# KiCad board corevus-toolboard-panelize3.kicad_pcb (continued)
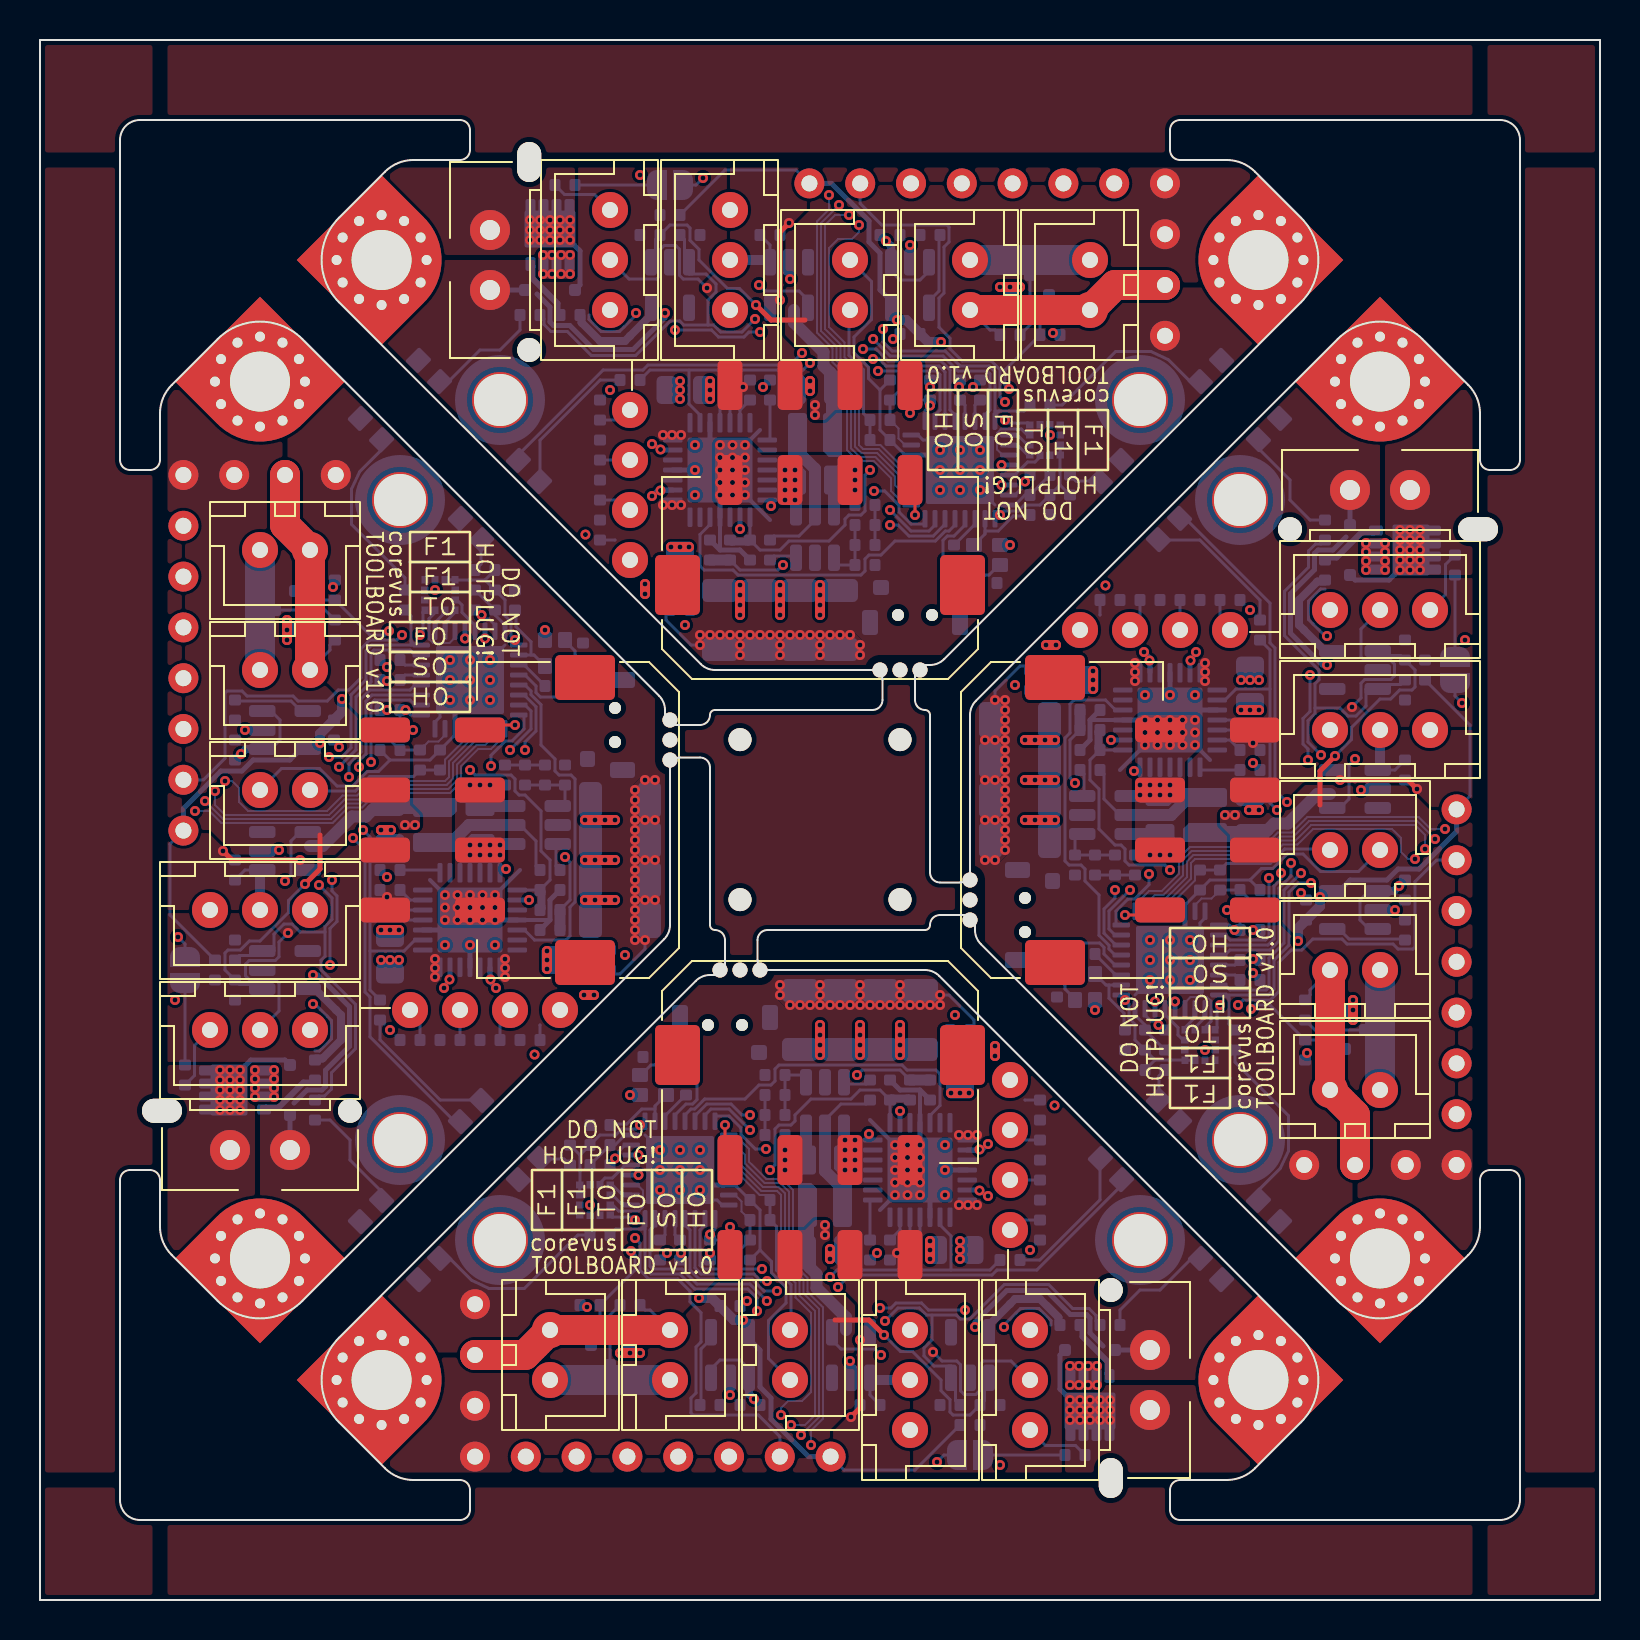
[diagram p0: board, top side]
## Library data of the parts
C1#3 C2#3 C3#4 C4 C5#3 C6#3 C8 C9#3 C11#2 C12 C13#3 C14#2 C15#4 C16#2 C17#2 C18#3 C19#3 C20#3 C21#2 C23#3 C26#2 C28#3 C29#3 C31#2 C32 C33#2 C34#3 = -: ki_fp_filters: C_*
C7 C7#2 C7#3 = -: LCSC: C1525
C7#4 = -: LCSC: C1525; ki_fp_filters: C_*
D1 D1#2 D1#3 = -: Sim.Device: D; Sim.Pins: 1=K 2=A
D1#4 = -: Sim.Device: D; Sim.Pins: 1=K 2=A; ki_fp_filters: TO-???* *_Diode_* *SingleDiode* D_*
D2 D3#3 D4#2 D5 = -: ki_fp_filters: LED* LED_SMD:* LED_THT:*
FB1 = -: ki_fp_filters: Inductor_* L_* *Ferrite*
H1 H1#2 H1#3 H2 H2#2 H2#3 H3#2-H3#4 H4 H4#2 H4#3 = -: Description: Mounting Hole with connection
H1#4 H2#4 H3 H4#4 = -: Description: Mounting Hole with connection; ki_fp_filters: MountingHole*Pad*
J1 J8#2 J10#2 = -: ki_fp_filters: Connector*:*_1x??_*
J2 J2#2 J2#3 J9 J9#2 J9#4 = -: Description: Generic connector, single row, 01x03, script generated (kicad-library-utils/schlib/autogen/connector/)
J2#4 J9#3 = -: Description: Generic connector, single row, 01x03, script generated (kicad-library-utils/schlib/autogen/connector/); ki_fp_filters: Connector*:*_1x??_*
J3#4 = -: ki_fp_filters: Connector*:*_2x??_*
J4 J4#2 J4#4 = -: Description: Generic connector, single row, 01x04, script generated (kicad-library-utils/schlib/autogen/connector/)
J4#3 = -: Description: Generic connector, single row, 01x04, script generated (kicad-library-utils/schlib/autogen/connector/); ki_fp_filters: Connector*:*_1x??_*
J5 J5#2 J5#4 J6 J6#2 J6#4 J7 J7#2 J7#3 = -: Description: Generic connector, single row, 01x02, script generated (kicad-library-utils/schlib/autogen/connector/)
J5#3 J6#3 J7#4 = -: Description: Generic connector, single row, 01x02, script generated (kicad-library-utils/schlib/autogen/connector/); ki_fp_filters: Connector*:*_1x??_*
JP1 JP1#3 JP1#4 = -: Description: Jumper, 2-pole, small symbol, open
JP1#2 = -: Description: Jumper, 2-pole, small symbol, open; ki_fp_filters: Jumper* TestPoint*2Pads* TestPoint*Bridge*
L1#3 = -: ki_fp_filters: Choke_* *Coil* Inductor_* L_*
NT1#3 = -: ki_fp_filters: Net*Tie*
R1#2 R2#4 R3#3 R4 R5#2 R6 R7#3 R8#2 R9#3 R10 R11#3 R12 R13#2 R14#4 R15#2 R16 R17#4 R19 R20#4 R21 = -: ki_fp_filters: R_*
TH1#4 TH2#2 = -: ki_fp_filters: *NTC* *Thermistor* PIN?ARRAY* bornier* *Terminal?Block* R_*
U1 = -: Datasheet: https://www.st.com/resource/en/datasheet/lis2DE12.pdf; ki_fp_filters: LGA*2x2mm*P0.5mm*
U1#2-U1#4 = -: Datasheet: https://www.st.com/resource/en/datasheet/lis2DE12.pdf
U2 U2#2 U2#3 = -: Datasheet: http://www.ti.com/lit/ds/symlink/tps54302.pdf
U2#4 = -: Datasheet: http://www.ti.com/lit/ds/symlink/tps54302.pdf; ki_fp_filters: SOT?23*
U3 U3#2 U3#3 = -: Datasheet: https://www.st.com/resource/en/datasheet/stm32g431kb.pdf
U3#4 = -: Datasheet: https://www.st.com/resource/en/datasheet/stm32g431kb.pdf; ki_fp_filters: QFN*1EP*5x5mm*P0.5mm*
U4#2 = -: ki_fp_filters: QFN*1EP*5x6mm*P0.5mm*
U6 = -: Datasheet: https://www.exar.com/content/document.ashx?id=22106&languageid=1033&type=Datasheet&partnumber=SPX3819&filename=SPX3819.pdf&part=SPX3819; ki_fp_filters: SOT?23*
U6#2-U6#4 = -: Datasheet: https://www.exar.com/content/document.ashx?id=22106&languageid=1033&type=Datasheet&partnumber=SPX3819&filename=SPX3819.pdf&part=SPX3819
U7 U7#3 U7#4 = -: Datasheet: https://www.ti.com/lit/ds/symlink/tps2051c.pdf; Description: 1.5A Current limited power switch, single channel, output discharge, reverse blocking, SOT-23-5
U7#2 = -: Datasheet: https://www.ti.com/lit/ds/symlink/tps2051c.pdf; Description: 1.5A Current limited power switch, single channel, output discharge, reverse blocking, SOT-23-5; ki_fp_filters: SOT?23*
U8 U8#2-U8#4 = -: Datasheet: https://www.ti.com/lit/ds/symlink/ucc27517.pdf; Description: UCC2751x Single-Channel, High-Speed, Low-Side Gate Driver (With 4-A Peak Source and 4-A Peak Sink)
Y1#2 = -: ki_fp_filters: Crystal*

## Footprints (pads in the part's own frame, mm; a bottom-side part is the same pattern mirrored in y, then rotated)
0402
  rrect 0.55x0.6 smd: 1(-0.5,0) 2(0.5,0)
0402C
  rrect 0.55x0.6 smd: 1(-0.5,0) 2(0.5,0)
0402R
  rrect 0.55x0.6 smd: 1(-0.5,0) 2(0.5,0)
0603LED
  rrect 0.9x1 smd: 1(-0.75,0) 2(0.75,0)
C_0805_2012Metric
  rrect 1x1.45 smd: 1(-0.95,0) 2(0.95,0)
C_0805_2012Metric#2
  rrect 0.95x1.45 smd: 1(-0.925,0) 2(0.925,0)
C_1206_3216Metric
  rrect 1.15x1.8 smd: 1(-1.475,0) 2(1.475,0)
Crystal_SMD_2016-4Pin_2.0x1.6mm
  rrect 0.8x0.7 smd: 1(-0.65,-0.5) 2(0.65,-0.5) 3(0.65,0.5) 4(-0.65,0.5)
D_SOD-323
  rrect 0.6x0.6 smd: 1(-1.25,0) 2(1.25,0)
JST_XH_1x02
  oval 1.8x1.8 hole 0.8: 1(-1.25,0) 2(1.25,0)
JST_XH_1x03
  oval 1.8x1.8 hole 0.8: 1(-2.5,0) 2(0,0) 3(2.5,0)
JST_XH_1x04-Side
  round 1.8 hole 0.8: 1(3.75,0) 2(1.25,0) 3(-1.25,0) 4(-3.75,0)
L_Changjiang_FTC2520
  rrect 0.95x2.2 smd: 1(-0.875,0) 2(0.875,0)
LGA-12_2x2mm_P0.5mm
  rect 0.375x0.35 smd: 1(-0.762,0.75) 2(-0.762,0.25) 3(-0.762,-0.25) 4(-0.762,-0.75) 7(0.762,-0.75) 8(0.762,-0.25) 9(0.762,0.25) 10(0.762,0.75)
  rect 0.35x0.375 smd: 5(-0.25,-0.762) 6(0.25,-0.762) 11(0.25,0.762) 12(-0.25,0.762)
Molex_Micro-Fit-3.0_436500215
  round 1.6 hole 1.2 unplated: (-4.5,-1.96)
  oval 2.4x1.6 hole 2x1.2 unplated: (4.9,-1.96)
  round 2 hole 1: 1(1.5,0) 2(-1.5,0)
MOSFET_DFN8
  rrect 0.5x0.7 smd: 1(-0.975,-1.45) 2(-0.325,-1.45) 3(0.325,-1.45) 4(0.975,-1.45) 5(0.975,1.45) 6(0.325,1.45) 7(-0.325,1.45) 8(-0.975,1.45)
  rrect 2.55x1.85 smd: 8(0,0.3)
MountingHole_M3_Driver_Corner
  round 0.8 hole 0.5: 1(-2.173,0.582) 1(-2.173,-0.582) 1(-1.591,1.591) 1(-1.591,-1.591) 1(-0.582,2.173) 1(-0.582,-2.173) 1(0.582,2.173) 1(0.582,-2.173) 1(1.591,1.591) 1(1.591,-1.591) 1(2.173,0.582) 1(2.173,-0.582)
  custom 6x6 hole 3: 1(0,0)
NetTie-2_SMD_Pad0.1mm
  round 0.1 smd: 1(-0.1,0) 2(0.1,0)
PinHeader_1x03_P2.54mm_Vertical
  round 1.5 hole 0.8: 1(0,0) 2(0,-2.54) 3(0,-5.08)
PinHeader_1x08_P2.54mm_Vertical
  round 1.5 hole 0.8: 1(0,0) 2(0,-2.54) 3(0,-5.08) 4(0,-7.62) 5(0,-10.16) 6(0,-12.7) 7(0,-15.24) 8(0,-17.78)
QFN-32-1EP_5x5mm_P0.5mm_EP3.45x3.45mm
  rrect 0.93x0.93 smd: (-1.15,-1.15) (-1.15,0) (-1.15,1.15) (0,-1.15) (0,0) (0,1.15) (1.15,-1.15) (1.15,0) (1.15,1.15)
  rrect 0.875x0.25 smd: 1(-2.438,1.75) 2(-2.438,1.25) 3(-2.438,0.75) 4(-2.438,0.25) 5(-2.438,-0.25) 6(-2.438,-0.75) 7(-2.438,-1.25) 8(-2.438,-1.75) 17(2.438,-1.75) 18(2.438,-1.25) 19(2.438,-0.75) 20(2.438,-0.25) 21(2.438,0.25) 22(2.438,0.75) 23(2.438,1.25) 24(2.438,1.75)
  rrect 0.25x0.875 smd: 9(-1.75,-2.438) 10(-1.25,-2.438) 11(-0.75,-2.438) 12(-0.25,-2.438) 13(0.25,-2.438) 14(0.75,-2.438) 15(1.25,-2.438) 16(1.75,-2.438) 25(1.75,2.438) 26(1.25,2.438) 27(0.75,2.438) 28(0.25,2.438) 29(-0.25,2.438) 30(-0.75,2.438) 31(-1.25,2.438) 32(-1.75,2.438)
  rrect 3.4x3.4 smd: 33(0,0)
R_0805_2012Metric
  rrect 1.025x1.4 smd: 1(-0.912,0) 2(0.912,0)
ShouHan_TS24CA
  round 1 hole 0.6 unplated: (-0.85,0) (0.85,0)
  rrect 0.8x0.75 smd: 1(1.7,-1.375) 2(-1.7,-1.375)
  rrect 0.8x1.25 smd: 3(-2.25,0.375) 3(2.25,0.375)
Sinhoo_TH162010
  round 2.8 hole 2.6: 1(0,0)
  round 4.5 smd: 1(0,0)
SolderJumper-2_P1.3mm_Open_RoundedPad1.0x1.5mm
  custom 1x1.5 smd: 1(-0.65,0) 2(0.65,0)
SOT-23
  rrect 1.475x0.6 smd: 1(-0.938,0.95) 2(-0.938,-0.95) 3(0.938,0)
SOT-23-5
  rrect 1.325x0.6 smd: 1(-1.137,0.95) 2(-1.137,0) 3(-1.137,-0.95) 4(1.137,-0.95) 5(1.137,0.95)
SOT-23-6
  rrect 1.325x0.6 smd: 1(-1.137,0.95) 2(-1.137,0) 3(-1.137,-0.95) 4(1.137,-0.95) 5(1.137,0) 6(1.137,0.95)
ToolingHole
  round 1.3 hole 1.152 unplated: (0,0)
TQFN-28-1EP_5x5mm_P0.5mm_EP3.25x3.25mm_ThermalVias
  rrect 1.41x1.41 smd: (-0.81,-0.81) (-0.81,0.81) (0.81,-0.81) (0.81,0.81)
  rrect 0.975x0.25 smd: 1(-2.362,1.5) 2(-2.362,1) 3(-2.362,0.5) 4(-2.362,0) 5(-2.362,-0.5) 6(-2.362,-1) 7(-2.362,-1.5) 15(2.362,-1.5) 16(2.362,-1) 17(2.362,-0.5) 18(2.362,0) 19(2.362,0.5) 20(2.362,1) 21(2.362,1.5)
  rrect 0.25x0.975 smd: 8(-1.5,-2.362) 9(-1,-2.362) 10(-0.5,-2.362) 11(0,-2.362) 12(0.5,-2.362) 13(1,-2.362) 14(1.5,-2.362) 22(1.5,2.362) 23(1,2.362) 24(0.5,2.362) 25(0,2.362) 26(-0.5,2.362) 27(-1,2.362) 28(-1.5,2.362)
  rrect 3.25x3.25 smd: 29(0,0)
unnamed
  round 1 hole 0.75 unplated: (0,0)
XKB_X3025WRS-2x04E
  rrect 1.25x2.5 smd: 1(-4.5,0) 2(-1.5,0) 3(1.5,0) 4(4.5,0) 5(-4.5,-4.75) 6(-1.5,-4.75) 7(1.5,-4.75) 8(4.5,-4.75)
  rrect 2.25x3 smd: MP(-7.125,5.25) MP(7.125,5.25)

## Nets
+3.3V: C5.1 C5#2.1 C5#3.1 C5#4.1 C11.1 C11#2.1 C11#3.1 C11#4.1 C12.1 C12#2.1 C12#3.1 C12#4.1 C34.2 C34#2.2 C34#3.2 C34#4.2 D3.2 D3#2.2 D3#3.2 D3#4.2 FB1.2 FB1#2.2 FB1#3.2 FB1#4.2 J8.8 J8#2.8 J8#3.8 J8#4.8 R7.2 R7#2.2 R7#3.2 R7#4.2 R16.2 R16#2.2 R16#3.2 R16#4.2 R17.2 R17#2.2 R17#3.2 R17#4.2 U1.9 U1.10 U1#2.9 U1#2.10 U1#3.9 U1#3.10 U1#4.9 U1#4.10 U3.1 U3.17 U3#2.1 U3#2.17 U3#3.1 U3#3.17 U3#4.1 U3#4.17 U4.15 U4#2.15 U4#3.15 U4#4.15 U6.5 U6#2.5 U6#3.5 U6#4.5
+5V: C1.2 C1#2.2 C1#3.2 C1#4.2 C33.1 C33#2.1 C33#3.1 C33#4.1 J9.2 J9#2.2 J9#3.2 J9#4.2 L1.2 L1#2.2 L1#3.2 L1#4.2 R15.1 R15#2.1 R15#3.1 R15#4.1 U6.1 U6.3 U6#2.1 U6#2.3 U6#3.1 U6#3.3 U6#4.1 U6#4.3 U7.5 U7#2.5 U7#3.5 U7#4.5
+12V: C29.1 C29#2.1 C29#3.1 C29#4.1 C32.1 C32#2.1 C32#3.1 C32#4.1 J3.6 J3#2.6 J3#3.6 J3#4.6 J8.1 J8#2.1 J8#3.1 J8#4.1 J10.3 J10#2.3 J10#3.3 J10#4.3 U2.3 U2#2.3 U2#3.3 U2#4.3 U8.1 U8#2.1 U8#3.1 U8#4.1
+24V: C8.2 C8#2.2 C8#3.2 C8#4.2 C14.1 C14#2.1 C14#3.1 C14#4.1 C15.1 C15#2.1 C15#3.1 C15#4.1 C16.1 C16#2.1 C16#3.1 C16#4.1 C17.1 C17#2.1 C17#3.1 C17#4.1 D1.1 D1#2.1 D1#3.1 D1#4.1 J1.2 J1#2.2 J1#3.2 J1#4.2 J3.7 J3.8 J3#2.7 J3#2.8 J3#3.7 J3#3.8 J3#4.7 J3#4.8 J10.1 J10#2.1 J10#3.1 J10#4.1 R20.1 R20#2.1 R20#3.1 R20#4.1 U4.22 U4.28 U4#2.22 U4#2.28 U4#3.22 U4#3.28 U4#4.22 U4#4.28
GND: C1.1 C1#2.1 C1#3.1 C1#4.1 C2.2 C2#2.2 C2#3.2 C2#4.2 C3.2 C3#2.2 C3#3.2 C3#4.2 C4.2 C4#2.2 C4#3.2 C4#4.2 C5.2 C5#2.2 C5#3.2 C5#4.2 C6.2 C6#2.2 C6#3.2 C6#4.2 C11.2 C11#2.2 C11#3.2 C11#4.2 C12.2 C12#2.2 C12#3.2 C12#4.2 C14.2 C14#2.2 C14#3.2 C14#4.2 C15.2 C15#2.2 C15#3.2 C15#4.2 C16.2 C16#2.2 C16#3.2 C16#4.2 C17.2 C17#2.2 C17#3.2 C17#4.2 C18.2 C18#2.2 C18#3.2 C18#4.2 C19.2 C19#2.2 C19#3.2 C19#4.2 C20.2 C20#2.2 C20#3.2 C20#4.2 C21.2 C21#2.2 C21#3.2 C21#4.2 C29.2 C29#2.2 C29#3.2 C29#4.2 C31.1 C31#2.1 C31#3.1 C31#4.1 C32.2 C32#2.2 C32#3.2 C32#4.2 C33.2 C33#2.2 C33#3.2 C33#4.2 C34.1 C34#2.1 C34#3.1 C34#4.1 D2.1 D2#2.1 D2#3.1 D2#4.1 D4.1 D4#2.1 D4#3.1 D4#4.1 D5.1 D5#2.1 D5#3.1 D5#4.1 H1.1 H1#2.1 H1#3.1 H1#4.1 H2.1 H2#2.1 H2#3.1 H2#4.1 H3.1 H3#2.1 H3#3.1 H3#4.1 H4.1 H4#2.1 H4#3.1 H4#4.1 J2.1 J2#2.1 J2#3.1 J2#4.1 J3.2 J3.3 J3.4 J3#2.2 J3#2.3 J3#2.4 J3#3.2 J3#3.3 J3#3.4 J3#4.2 J3#4.3 J3#4.4 J8.2 J8#2.2 J8#3.2 J8#4.2 J9.1 J9#2.1 J9#3.1 J9#4.1 NT1.1 NT1#2.1 NT1#3.1 NT1#4.1 Q2.1 Q2.2 Q2.3 Q2#2.1 Q2#2.2 Q2#2.3 Q2#3.1 Q2#3.2 Q2#3.3 Q2#4.1 Q2#4.2 Q2#4.3 Q4.2 Q4#2.2 Q4#3.2 Q4#4.2 R2.1 R2#2.1 R2#3.1 R2#4.1 R5.1 R5#2.1 R5#3.1 R5#4.1 R6.1 R6#2.1 R6#3.1 R6#4.1 R10.2 R10#2.2 R10#3.2 R10#4.2 R14.2 R14#2.2 R14#3.2 R14#4.2 R19.1 R19#2.1 R19#3.1 R19#4.1 R20.2 R20#2.2 R20#3.2 R20#4.2 SW1.2 SW1#2.2 SW1#3.2 SW1#4.2 TH1.2 TH1#2.2 TH1#3.2 TH1#4.2 TH2.2 TH2#2.2 TH2#3.2 TH2#4.2 U1.5 U1.6 U1.7 U1.8 U1#2.5 U1#2.6 U1#2.7 U1#2.8 U1#3.5 U1#3.6 U1#3.7 U1#3.8 U1#4.5 U1#4.6 U1#4.7 U1#4.8 U2.1 U2#2.1 U2#3.1 U2#4.1 U3.16 U3.32 U3.33 U3#2.16 U3#2.32 U3#2.33 U3#3.16 U3#3.32 U3#3.33 U3#4.16 U3#4.32 U3#4.33 U4.3 U4.18 U4.25 U4.29 U4#2.3 U4#2.18 U4#2.25 U4#2.29 U4#3.3 U4#3.18 U4#3.25 U4#3.29 U4#4.3 U4#4.18 U4#4.25 U4#4.29 U6.2 U6#2.2 U6#3.2 U6#4.2 U7.2 U7#2.2 U7#3.2 U7#4.2 U8.2 U8.4 U8#2.2 U8#2.4 U8#3.2 U8#3.4 U8#4.2 U8#4.4 Y1.2 Y1.4 Y1#2.2 Y1#2.4 Y1#3.2 Y1#3.4 Y1#4.2 Y1#4.4
VDDA: C13.2 C13#2.2 C13#3.2 C13#4.2 FB1.1 FB1#2.1 FB1#3.1 FB1#4.1 R13.2 R13#2.2 R13#3.2 R13#4.2 U3.15 U3#2.15 U3#3.15 U3#4.15
VSSA: C13.1 C13#2.1 C13#3.1 C13#4.1 C26.2 C26#2.2 C26#3.2 C26#4.2 J5.1 J5#2.1 J5#3.1 J5#4.1 NT1.2 NT1#2.2 NT1#3.2 NT1#4.2 U3.14 U3#2.14 U3#3.14 U3#4.14
/_{FET}Therm: JP1.1 JP1#2.1 JP1#3.1 JP1#4.1 R7.1 R7#2.1 R7#3.1 R7#4.1 TH2.1 TH2#2.1 TH2#3.1 TH2#4.1
/_{Motor}Therm: R16.1 R16#2.1 R16#3.1 R16#4.1 TH1.1 TH1#2.1 TH1#3.1 TH1#4.1 U3.6 U3#2.6 U3#3.6 U3#4.6
/A1: C19.1 C19#2.1 C19#3.1 C19#4.1 J4.3 J4#2.3 J4#3.3 J4#4.3 U4.24 U4#2.24 U4#3.24 U4#4.24
/A2: C18.1 C18#2.1 C18#3.1 C18#4.1 J4.4 J4#2.4 J4#3.4 J4#4.4 U4.21 U4#2.21 U4#3.21 U4#4.21
/ACCEL_CS: U1.2 U1#2.2 U1#3.2 U1#4.2 U3.25 U3#2.25 U3#3.25 U3#4.25
/ACCEL_INT1: U1.12 U1#2.12 U1#3.12 U1#4.12 U3.29 U3#2.29 U3#3.29 U3#4.29
/B1: C21.1 C21#2.1 C21#3.1 C21#4.1 J4.1 J4#2.1 J4#3.1 J4#4.1 U4.1 U4#2.1 U4#3.1 U4#4.1
/B2: C20.1 C20#2.1 C20#3.1 C20#4.1 J4.2 J4#2.2 J4#3.2 J4#4.2 U4.26 U4#2.26 U4#3.26 U4#4.26
/BOOT0: J8.7 J8#2.7 J8#3.7 J8#4.7 R2.2 R2#2.2 R2#3.2 R2#4.2 U3.31 U3#2.31 U3#3.31 U3#4.31
/D+: J3.5 J3#2.5 J3#3.5 J3#4.5 R3.2 R3#2.2 R3#3.2 R3#4.2
/D+': R3.1 R3#2.1 R3#3.1 R3#4.1 U3.22 U3#2.22 U3#3.22 U3#4.22
/D-: J3.1 J3#2.1 J3#3.1 J3#4.1 R4.2 R4#2.2 R4#3.2 R4#4.2
/D-': R4.1 R4#2.1 R4#3.1 R4#4.1 U3.21 U3#2.21 U3#3.21 U3#4.21
/Dir: U3.5 U3#2.5 U3#3.5 U3#4.5 U4.19 U4#2.19 U4#3.19 U4#4.19
/F0: R8.2 R8#2.2 R8#3.2 R8#4.2 U3.24 U3#2.24 U3#3.24 U3#4.24 U7.4 U7#2.4 U7#3.4 U7#4.4
/F0_FG: J2.3 J2#2.3 J2#3.3 J2#4.3 U3.19 U3#2.19 U3#3.19 U3#4.19
/F1: Q4.1 Q4#2.1 Q4#3.1 Q4#4.1 R14.1 R14#2.1 R14#3.1 R14#4.1 U3.30 U3#2.30 U3#3.30 U3#4.30
/H0: R1.2 R1#2.2 R1#3.2 R1#4.2 R19.2 R19#2.2 R19#3.2 R19#4.2 U3.23 U3#2.23 U3#3.23 U3#4.23 U8.3 U8#2.3 U8#3.3 U8#4.3
/H0_Gate: R9.2 R9#2.2 R9#3.2 R9#4.2 U8.5 U8#2.5 U8#3.5 U8#4.5
/PA4: J8.6 J8#2.6 J8#3.6 J8#4.6 JP1.2 JP1#2.2 JP1#3.2 JP1#4.2 U3.9 U3#2.9 U3#3.9 U3#4.9
/PA5: J8.5 J8#2.5 J8#3.5 J8#4.5 U3.10 U3#2.10 U3#3.10 U3#4.10
/PA6: J8.4 J8#2.4 J8#3.4 J8#4.4 U3.11 U3#2.11 U3#3.11 U3#4.11
/PA7: J8.3 J8#2.3 J8#3.3 J8#4.3 U3.12 U3#2.12 U3#3.12 U3#4.12
/PCF_V+: C23.1 C23#2.1 C23#3.1 C23#4.1 J6.2 J6#2.2 J6#3.2 J6#4.2 J7.2 J7#2.2 J7#3.2 J7#4.2 J10.2 J10#2.2 J10#3.2 J10#4.2
/S0: J9.3 J9#2.3 J9#3.3 J9#4.3 U3.20 U3#2.20 U3#3.20 U3#4.20
/SPI1_MISO: U1.3 U1#2.3 U1#3.3 U1#4.3 U3.27 U3#2.27 U3#3.27 U3#4.27
/SPI1_MOSI: U1.4 U1#2.4 U1#3.4 U1#4.4 U3.28 U3#2.28 U3#3.28 U3#4.28
/SPI1_SCK: U1.1 U1#2.1 U1#3.1 U1#4.1 U3.26 U3#2.26 U3#3.26 U3#4.26
/Step: U3.7 U3#2.7 U3#3.7 U3#4.7 U4.16 U4#2.16 U4#3.16 U4#4.16
/T0: C26.1 C26#2.1 C26#3.1 C26#4.1 J5.2 J5#2.2 J5#3.2 J5#4.2 R13.1 R13#2.1 R13#3.1 R13#4.1 U3.13 U3#2.13 U3#3.13 U3#4.13
/UART: U3.8 U3#2.8 U3#3.8 U3#4.8 U4.14 U4#2.14 U4#3.14 U4#4.14
/~{En}: R21.2 R21#2.2 R21#3.2 R21#4.2 U3.18 U3#2.18 U3#3.18 U3#4.18 U4.2 U4#2.2 U4#3.2 U4#4.2
/~{Reset}: SW1.1 SW1#2.1 SW1#3.1 SW1#4.1 U3.4 U3#2.4 U3#3.4 U3#4.4
Net-(C3-Pad1): C3.1 C3#2.1 C3#3.1 C3#4.1 R12.1 R12#2.1 R12#3.1 R12#4.1 Y1.1 Y1#2.1 Y1#3.1 Y1#4.1
Net-(C28-Pad1): C28.1 C28#2.1 C28#3.1 C28#4.1 R11.1 R11#2.1 R11#3.1 R11#4.1 R15.2 R15#2.2 R15#3.2 R15#4.2
Net-(D1-A): D1.2 D1#2.2 D1#3.2 D1#4.2 J1.1 J1#2.1 J1#3.1 J1#4.1 Q2.5 Q2.6 Q2.7 Q2.8 Q2#2.5 Q2#2.6 Q2#2.7 Q2#2.8 Q2#3.5 Q2#3.6 Q2#3.7 Q2#3.8 Q2#4.5 Q2#4.6 Q2#4.7 Q2#4.8
Net-(D2-A): D2.2 D2#2.2 D2#3.2 D2#4.2 R1.1 R1#2.1 R1#3.1 R1#4.1
Net-(D3-K): D3.1 D3#2.1 D3#3.1 D3#4.1 R21.1 R21#2.1 R21#3.1 R21#4.1
Net-(D4-A): D4.2 D4#2.2 D4#3.2 D4#4.2 R17.1 R17#2.1 R17#3.1 R17#4.1
Net-(D5-A): D5.2 D5#2.2 D5#3.2 D5#4.2 R8.1 R8#2.1 R8#3.1 R8#4.1
Net-(J2-Pin_2): C6.1 C6#2.1 C6#3.1 C6#4.1 J2.2 J2#2.2 J2#3.2 J2#4.2 U7.1 U7#2.1 U7#3.1 U7#4.1
Net-(J6-Pin_1): C23.2 C23#2.2 C23#3.2 C23#4.2 J6.1 J6#2.1 J6#3.1 J6#4.1 J7.1 J7#2.1 J7#3.1 J7#4.1 Q4.3 Q4#2.3 Q4#3.3 Q4#4.3
Net-(Q2-G): Q2.4 Q2#2.4 Q2#3.4 Q2#4.4 R9.1 R9#2.1 R9#3.1 R9#4.1
Net-(U2-BOOT): C7.1 C7#2.1 C7#3.1 C7#4.1 U2.6 U2#2.6 U2#3.6 U2#4.6
Net-(U2-FB): C28.2 C28#2.2 C28#3.2 C28#4.2 R10.1 R10#2.1 R10#3.1 R10#4.1 R11.2 R11#2.2 R11#3.2 R11#4.2 U2.4 U2#2.4 U2#3.4 U2#4.4
Net-(U2-SW): C7.2 C7#2.2 C7#3.2 C7#4.2 L1.1 L1#2.1 L1#3.1 L1#4.1 U2.2 U2#2.2 U2#3.2 U2#4.2
Net-(U3-PF0): C2.1 C2#2.1 C2#3.1 C2#4.1 U3.2 U3#2.2 U3#3.2 U3#4.2 Y1.3 Y1#2.3 Y1#3.3 Y1#4.3
Net-(U3-PF1): R12.2 R12#2.2 R12#3.2 R12#4.2 U3.3 U3#2.3 U3#3.3 U3#4.3
Net-(U4-5VOUT): C4.1 C4#2.1 C4#3.1 C4#4.1 U4.8 U4#2.8 U4#3.8 U4#4.8
Net-(U4-BRA): R5.2 R5#2.2 R5#3.2 R5#4.2 U4.23 U4#2.23 U4#3.23 U4#4.23
Net-(U4-BRB): R6.2 R6#2.2 R6#3.2 R6#4.2 U4.27 U4#2.27 U4#3.27 U4#4.27
Net-(U4-CPI): C9.2 C9#2.2 C9#3.2 C9#4.2 U4.5 U4#2.5 U4#3.5 U4#4.5
Net-(U4-CPO): C9.1 C9#2.1 C9#3.1 C9#4.1 U4.4 U4#2.4 U4#3.4 U4#4.4
Net-(U4-VCP): C8.1 C8#2.1 C8#3.1 C8#4.1 U4.6 U4#2.6 U4#3.6 U4#4.6
Net-(U6-BP): C31.2 C31#2.2 C31#3.2 C31#4.2 U6.4 U6#2.4 U6#3.4 U6#4.4

Pads without a net: J3 MP; J3#2 MP; J3#3 MP; J3#4 MP; SW1 3; SW1#2 3; SW1#3 3; SW1#4 3; U1 11; U1#2 11; U1#3 11; U1#4 11; U2 5; U2#2 5; U2#3 5; U2#4 5; U4 7 9 10 11 12 13 17 20; U4#2 7 9 10 11 12 13 17 20; U4#3 7 9 10 11 12 13 17 20; U4#4 7 9 10 11 12 13 17 20; U7 3; U7#2 3; U7#3 3; U7#4 3

## Via types
v1: diameter 0.5, hole 0.25, Top to Bottom, 732 vias

## Routing (per net, layer and track width the routed paths; a pad name or vN(x,y) marks a point on that pad's centre or on a via; arc(x,y) is an arc through that point)
+3.3V: length 334.8
  In1.Cu w0.15: v1(38.1,62.35) 38.05,62.3 38.05,61.66 38.31,61.4 38.69,61.4 39.54,62.25 40.11,62.25 41.36,61 42.09,61 42.35,61.26 42.35,62.1 43.1,62.85 43.1,63.75 v1(42.85,64) ; v1(14,42.85) 14.25,43.1 15.15,43.1 15.9,42.35 16.74,42.35 17,42.09 17,41.36 15.75,40.11 15.75,39.54 16.6,38.69 16.6,38.31 16.34,38.05 15.7,38.05 v1(15.65,38.1) ; v1(64,35.15) 63.75,34.9 62.85,34.9 62.1,35.65 61.26,35.65 61,35.91 61,36.64 62.25,37.89 62.25,38.46 61.4,39.31 61.4,39.69 61.66,39.95 62.3,39.95 v1(62.35,39.9) ; v1(35.15,14) 34.9,14.25 34.9,15.15 35.65,15.9 35.65,16.74 35.91,17 36.64,17 37.89,15.75 38.46,15.75 39.31,16.6 39.69,16.6 39.95,16.34 39.95,15.7 v1(39.9,15.65)
  In1.Cu w0.25: v1(54.25,30) 54.25,30.5 55.25,31.5 59.79,31.5 60.44,30.85 60.86,30.85 61.4,31.39 61.4,32.95 ; v1(23.75,48) 23.75,47.5 22.75,46.5 18.21,46.5 17.56,47.15 17.14,47.15 16.6,46.61 16.6,45.05 ; 32.95,16.6 31.39,16.6 30.85,17.14 30.85,17.56 31.5,18.21 31.5,22.75 30.5,23.75 v1(30,23.75) ; v1(45.05,62.9) 45.05,60.27 v1(44.5,59.73) 44.42,59.65 43.91,59.65 43.71,59.85 43.1,59.85 41.5,58.25 v1(41.5,56.5) ; v1(48,54.25) 47.5,54.25 46.5,55.25 46.5,59.79 47.15,60.44 47.15,60.86 46.61,61.4 45.05,61.4 ; v1(62.9,32.95) 60.27,32.95 v1(59.73,33.5) 59.65,33.58 59.65,34.09 59.85,34.29 59.85,34.9 58.25,36.5 v1(56.5,36.5) ; v1(15.1,45.05) 17.73,45.05 v1(18.27,44.5) 18.35,44.42 18.35,43.91 18.15,43.71 18.15,43.1 19.75,41.5 v1(21.5,41.5) ; v1(36.5,21.5) 36.5,19.75 34.9,18.15 34.29,18.15 34.09,18.35 33.58,18.35 v1(33.5,18.27) 32.95,17.73 v1(32.95,15.1)
  Bottom w0.15: R7#3.2 43.75,6.5 40.2,6.5 J8#2.8 ; v1(18.27,44.5) 18.52,44.25 18.9,44.25 ; 27,22.25 28,23.25 28.79,23.25 29.09,23.55 29.8,23.55 v1(30,23.75) 30.25,23.75 ; 27,22.25 R17#4.2 ; 27,22.25 27,20.76 U1.10 U1.9 ; U4#4.15 C5#4.1 25.5,36 25.5,37 25.05,37.45 25.05,39.45 24.25,40.25 23.95,40.25 23.75,40.45 23.75,41.05 23.55,41.25 21.75,41.25 v1(21.5,41.5) ; U1#4.9 U1#4.10 57.24,27 55.75,27 ; 22.25,51 23.25,50 23.25,49.21 23.55,48.91 23.55,48.2 v1(23.75,48) 23.75,47.75 ; 22.25,51 20.76,51 U1#2.10 U1#2.9 ; 22.25,51 R17#2.2 ; J8#3.8 6.5,37.8 6.5,34.25 R7#4.2 ; 54.25,30.25 v1(54.25,30) 54.45,29.8 54.45,29.09 54.75,28.79 54.75,28 55.75,27 ; 51,55.75 51,57.24 U1#3.10 U1#3.9 ; 51,55.75 R17.2 ; 51,55.75 50,54.75 49.21,54.75 48.91,54.45 48.2,54.45 v1(48,54.25) 47.75,54.25 ; 20.97,23.97 20.69,23.97 16.5,28.16 16.5,30.15 16.25,30.4 16.25,37.5 v1(15.65,38.1) ; v1(36.5,21.5) 36.75,21.75 36.75,23.55 36.95,23.75 37.55,23.75 37.75,23.95 37.75,24.25 38.55,25.05 40.55,25.05 41,25.5 42,25.5 C5#3.1 U4#2.15 ; R7#2.2 34.25,71.5 37.8,71.5 J8.8 ; v1(59.73,33.5) 59.48,33.75 59.1,33.75 ; 33.75,18.9 33.75,18.52 v1(33.5,18.27) ; 54.03,20.97 54.03,20.69 49.84,16.5 47.85,16.5 47.6,16.25 40.5,16.25 v1(39.9,15.65) ; 55.75,27 R17#3.2 ; 23.97,57.03 23.97,57.31 28.16,61.5 30.15,61.5 30.4,61.75 37.5,61.75 v1(38.1,62.35) ; v1(62.35,39.9) 61.75,40.5 61.75,47.6 61.5,47.85 61.5,49.84 57.31,54.03 57.03,54.03 ; R7.2 71.5,43.75 71.5,40.2 J8#4.8 ; U4#3.15 C5.1 52.5,42 52.5,41 52.95,40.55 52.95,38.55 53.75,37.75 54.05,37.75 54.25,37.55 54.25,36.95 54.45,36.75 56.25,36.75 v1(56.5,36.5) ; v1(44.5,59.73) 44.25,59.48 44.25,59.1 ; FB1#3.2 C12#3.1 ; FB1#2.2 C12#2.1 ; U4.15 C5#2.1 36,52.5 37,52.5 37.45,52.95 39.45,52.95 40.25,53.75 40.25,54.05 40.45,54.25 41.05,54.25 41.25,54.45 41.25,56.25 v1(41.5,56.5) ; FB1#4.2 C12#4.1 ; FB1.2 C12.1
  Bottom w0.25: J8#2.8 38.42,7.17 36.55,9.04 36.55,10.1 36,10.65 36,12.49 35.45,13.04 U6.5 ; J8#3.8 7.17,39.58 9.04,41.45 10.1,41.45 10.65,42 12.49,42 13.04,42.55 U6#2.5 ; J8#4.8 70.83,38.42 68.96,36.55 67.9,36.55 67.35,36 65.51,36 64.96,35.45 U6#3.5 ; J8.8 39.58,70.83 41.45,68.96 41.45,67.9 42,67.35 42,65.51 42.55,64.96 U6#4.5
  Bottom w0.4: R16#3.2 34.57,52.92 35.43,52.92 C5#2.1 ; C5.1 52.92,42.57 52.92,43.43 R16#2.2 ; C5#3.1 42.57,25.08 43.43,25.07 R16.2 ; C5#4.1 25.08,35.43 25.07,34.57 R16#4.2
  Bottom w0.5: 13.7,42.55 v1(14,42.85) 14,43.31 15.1,44.41 v1(15.1,45.05) ; 35.45,13.7 v1(35.15,14) 34.69,14 33.59,15.1 v1(32.95,15.1) ; 42.55,64.3 v1(42.85,64) 43.31,64 44.41,62.9 v1(45.05,62.9) ; v1(62.9,32.95) 62.9,33.59 64,34.69 v1(64,35.15) 64.3,35.45
+5V: length 135.1
  Top w0.25: v1(40.55,9.15) 41,9.6 v1(41,13) ; v1(37.45,68.85) 37,68.4 v1(37,65) ; v1(65,41) 68.4,41 v1(68.85,40.55) ; v1(13,37) 9.6,37 v1(9.15,37.45)
  In1.Cu w0.15: v1(67.95,35.7) 67.95,39.65 v1(68.85,40.55) ; v1(10.05,42.3) 10.05,38.35 v1(9.15,37.45) ; v1(37.45,68.85) 38.35,67.95 v1(42.3,67.95) ; v1(35.7,10.05) 39.65,10.05 v1(40.55,9.15)
  Bottom w0.15: 57.25,38 56.92,37.67 55.17,37.67 R15#3.1 ; R15.1 40.33,55.17 40.33,56.92 40,57.25 ; U6#4.1 42.55,66.45 43,66 44,66 44.45,66.45 U6#4.3 ; U6#3.3 66.45,33.55 66,34 66,35 66.45,35.45 U6#3.1 ; J9#3.2 48.55,11.95 47.16,11.95 46.97,11.76 46.97,10.46 46.79,10.27 46.21,10.27 46.02,10.46 46.02,11.76 45.84,11.95 45.1,11.95 v1(44.65,12.4) ; 38,20.75 37.67,21.07 37.67,22.82 R15#2.1 ; v1(65.6,44.65) 66.05,45.1 66.05,45.84 66.24,46.02 67.54,46.02 67.72,46.21 67.72,46.79 67.54,46.97 66.24,46.97 66.05,47.16 66.05,48.55 J9#4.2 ; 41.5,13.05 U7#2.5 ; 36.5,64.95 U7#4.5 ; 64.95,41.5 U7#3.5 ; U6.1 35.45,11.55 35,12 34,12 33.55,11.55 U6.3 ; 20.75,40 21.07,40.33 22.82,40.33 R15#4.1 ; U6#2.3 11.55,44.45 12,44 12,43 11.55,42.55 U6#2.1 ; J9#2.2 29.45,66.05 30.84,66.05 31.03,66.24 31.03,67.54 31.21,67.72 31.79,67.72 31.98,67.54 31.98,66.24 32.16,66.05 32.9,66.05 v1(33.35,65.6) ; J9.2 11.95,29.45 11.95,30.84 11.76,31.03 10.46,31.03 10.27,31.21 10.27,31.79 10.46,31.98 11.76,31.98 11.95,32.16 11.95,32.9 v1(12.4,33.35) ; 13.05,36.5 U7.5
  Bottom w0.25: 36.5,65.15 36.5,64.95 ; 12.85,36.5 13.05,36.5 ; 41.5,12.85 41.5,13.05 ; 65.15,41.5 64.95,41.5
  Bottom w0.4: U6#4.1 42.55,67.7 C1.2 v1(42.3,67.95) ; U6#3.1 67.7,35.45 C1#4.2 v1(67.95,35.7) ; U6.1 35.45,10.3 C1#3.2 v1(35.7,10.05) ; U6#2.1 10.3,42.55 C1#2.2 v1(10.05,42.3)
  Bottom w0.6: 39.5,61.38 39.89,60.99 ; 39.5,61.38 39.5,60.7 C33#4.1 ; 39.5,61.38 39.17,61.71 39.17,62.39 37.7,63.87 37.7,64.5 ; 16.62,39.5 16.29,39.17 15.61,39.17 14.13,37.7 13.5,37.7 ; 16.62,39.5 17.3,39.5 C33.1 ; 16.62,39.5 17.01,39.89 ; C33#2.1 38.5,17.3 38.5,16.62 ; 61.38,38.5 61.71,38.83 62.39,38.83 63.87,40.3 64.5,40.3 ; 61.38,38.5 60.7,38.5 C33#3.1 ; 61.38,38.5 60.99,38.11 ; 40.3,13.5 40.3,14.13 38.83,15.61 38.83,16.29 38.5,16.62 ; 38.5,16.62 38.11,17.01
  Bottom w0.8: C33#2.1 38.3,19.68 L1#3.2 ; C33.1 19.68,39.7 L1.2 ; L1#4.2 39.7,58.32 C33#4.1 ; L1#2.2 58.32,38.3 C33#3.1
+12V: length 55.4
  Top w0.25: v1(64.75,42.2) 64,41.45 64,39.75 ; 14,38.25 14,36.55 v1(13.25,35.8) ; v1(35.8,64.75) 36.55,64 38.25,64 ; 39.75,14 41.45,14 v1(42.2,13.25)
  Bottom w0.15: U8.1 67.11,47.22 68.03,47.22 68.75,46.5 68.75,45.65 68.6,45.5 67.98,45.5 67.53,45.05 67,45.05 65.58,43.63 65.58,43.03 v1(64.75,42.2) ; v1(42.2,13.25) 43.03,12.42 43.63,12.42 45.05,11 45.05,10.47 45.5,10.02 45.5,9.4 45.65,9.25 46.5,9.25 47.22,9.97 47.22,10.89 U8#4.1 ; v1(13.25,35.8) 12.42,34.97 12.42,34.37 11,32.95 10.47,32.95 10.02,32.5 9.4,32.5 9.25,32.35 9.25,31.5 9.97,30.78 10.89,30.78 U8#2.1 ; v1(35.8,64.75) 34.97,65.58 34.37,65.58 32.95,67 32.95,67.53 32.5,67.98 32.5,68.6 32.35,68.75 31.5,68.75 30.78,68.03 30.78,67.11 U8#3.1
  Bottom w0.25: U8#3.1 30.55,66.55 ; U8#2.1 11.45,30.55 ; U8#4.1 47.45,11.45 ; U8.1 66.55,47.45
  Bottom w0.3: 21.75,39.7 22,39.7 ; 39.7,56.25 39.7,56 ; 38.3,21.75 38.3,22 ; 56.25,38.3 56,38.3
  Bottom w0.6: U2#2.3 56,38.3 ; U2#3.3 22,39.7 ; U2#4.3 38.3,22 ; U2.3 39.7,56
  vias: v1(18.25,38.75) v1(18.75,38.75) v1(38.75,59.75) v1(38.75,59.25) v1(39.25,18.75) v1(39.25,18.25) v1(59.25,39.25) v1(59.75,39.25)
+24V: length 20.2
  Bottom w0.15: v1(45,30.25) 45.45,30.25 46.7,29 46.7,28.7 R20#4.1 ; C8#3.2 v1(60.65,42.85) ; R20#3.1 31.3,49.3 31.3,49 32.55,47.75 v1(33,47.75) ; C8#4.2 v1(17.35,35.15) ; C8.2 v1(42.85,17.35) ; R20#2.1 49.3,46.7 49,46.7 47.75,45.45 v1(47.75,45) ; v1(30.25,33) 30.25,32.55 29,31.3 28.7,31.3 R20.1 ; C8#2.2 v1(35.15,60.65)
  Bottom w0.25: D1#3.1 J1#2.2 ; D1#4.1 J1.2 ; D1.1 J1#3.2 ; D1#2.1 J1#4.2
  vias: v1(19.75,32.05) v1(19.75,31.6) v1(19.75,31.15) v1(23.25,32.05) v1(23.25,31.6) v1(23.25,31.15) v1(29.75,40.5) v1(29.75,40) v1(29.75,39.5) v1(29.75,39) v1(29.75,38.5) v1(29.75,38) v1(29.75,37.5) v1(29.75,37) v1(29.75,36.5) v1(29.75,36) v1(29.75,35.5) v1(29.75,35) v1(29.75,34.5) v1(29.75,34) v1(29.75,33.5) v1(29.75,33) v1(30.25,41) v1(30.25,39) v1(30.25,37) v1(30.25,35) v1(30.75,37) v1(30.75,41) v1(30.75,39) v1(30.75,35) v1(31.15,58.25) v1(31.15,54.75) v1(31.6,58.25) v1(31.6,54.75) v1(32.05,58.25) v1(32.05,54.75) v1(33,48.25) v1(33.5,48.25) v1(34,48.25) v1(34.5,48.25) v1(35,48.25) v1(35,47.75) v1(35,47.25) v1(35.5,48.25) v1(36,48.25) v1(36.5,48.25) v1(37,48.25) v1(37,47.75) v1(37,47.25) v1(37,30.75) v1(37,30.25) v1(37.5,48.25) v1(37.5,29.75) v1(38,48.25) v1(38,29.75) v1(38.5,48.25) v1(38.5,29.75) v1(39,48.25) v1(39,47.75) v1(39,47.25) v1(39,30.75) v1(39,30.25) v1(39,29.75) v1(39.5,48.25) v1(39.5,29.75) v1(40,48.25) v1(40,29.75) v1(40.5,48.25) v1(40.5,29.75) v1(41,47.75) v1(41,47.25) v1(41,30.75) v1(41,30.25) v1(41,29.75) v1(41.5,29.75) v1(42,29.75) v1(42.5,29.75) v1(43,30.75) v1(43,30.25) v1(43,29.75) v1(43.5,29.75) v1(44,29.75) v1(44.5,29.75) v1(45,29.75) v1(45.95,23.25) v1(45.95,19.75) v1(46.4,23.25) v1(46.4,19.75) v1(46.85,23.25) v1(46.85,19.75) v1(47.25,43) v1(47.25,39) v1(47.25,37) v1(47.25,41) v1(47.75,43) v1(47.75,41) v1(47.75,39) v1(47.75,37) v1(48.25,45) v1(48.25,44.5) v1(48.25,44) v1(48.25,43.5) v1(48.25,43) v1(48.25,42.5) v1(48.25,42) v1(48.25,41.5) v1(48.25,41) v1(48.25,40.5) v1(48.25,40) v1(48.25,39.5) v1(48.25,39) v1(48.25,38.5) v1(48.25,38) v1(48.25,37.5) v1(54.75,46.85) v1(54.75,46.4) v1(54.75,45.95) v1(58.25,46.85) v1(58.25,46.4) v1(58.25,45.95)
GND: length 184.4
  Top w0.5: v1(43,28.75) v1(43,27.25) ; v1(60.05,44.5) v1(60.95,44.5) ; v1(39.5,17.55) v1(39.5,17.05) ; v1(30.25,50.3) v1(30.25,50.8) ; v1(49.25,43) v1(50.75,43) ; v1(41,28.75) v1(41,27.25) ; v1(47.75,27.7) v1(47.75,27.2) ; v1(17.95,33.5) v1(17.05,33.5) ; v1(39,49.25) v1(39,50.75) ; v1(27.7,30.25) v1(27.2,30.25) ; v1(65.65,29) v1(65.65,30) ; v1(50.3,47.75) v1(50.8,47.75) ; v1(33.5,60.05) v1(33.5,60.95) ; v1(49.25,41) v1(50.75,41) ; v1(37,49.25) v1(37,50.75) ; v1(28.75,39) v1(27.25,39) ; v1(49,65.65) v1(48,65.65) ; v1(28.75,35) v1(27.25,35) ; v1(49.25,39) v1(50.75,39) ; v1(35,49.25) v1(35,50.75) ; v1(38.5,60.45) v1(38.5,60.95) ; v1(29,12.35) v1(30,12.35) ; v1(12.35,49) v1(12.35,48) ; v1(17.55,38.5) v1(17.05,38.5) ; v1(39,28.75) v1(39,27.25) ; v1(28.75,37) v1(27.25,37) ; v1(44.5,17.95) v1(44.5,17.05) ; v1(60.45,39.5) v1(60.95,39.5)
  Bottom w0.15: R2#4.1 C11#2.2 28.75,22.75 29.25,23.25 U3#4.32 ; J9#2.1 27.73,70.28 26.23,70.28 TH2#4.2 ; U3#2.32 23.25,48.75 22.75,49.25 C11.2 R2#3.1 ; v1(13.65,29.8) 13.75,29.8 14.57,28.98 14.57,28.05 13.97,27.45 13.75,27.45 ; 23.25,47.75 v1(22.5,47) v1(21.5,46) 20,44.5 20,44.15 19.75,43.9 19.75,43.6 ; R2.1 C11#3.2 55.25,28.75 54.75,29.25 U3#3.32 ; v1(29.8,64.35) 29.8,64.25 28.98,63.43 28.05,63.43 27.45,64.03 27.45,64.25 ; U3.32 48.75,54.75 49.25,55.25 C11#4.2 R2#2.1 ; C12#3.2 v1(60.65,33.5) ; 30.25,23.25 v1(31,22.5) v1(32,21.5) 33.5,20 33.85,20 34.1,19.75 34.4,19.75 ; 47.75,54.75 v1(47,55.5) v1(46,56.5) 44.5,58 44.15,58 43.9,58.25 43.6,58.25 ; C12#4.2 v1(17.35,44.5) ; 64.25,50.55 64.03,50.55 63.43,49.95 63.43,49.02 64.25,48.2 v1(64.35,48.2) ; v1(48.2,13.65) 48.2,13.75 49.02,14.57 49.95,14.57 50.55,13.97 50.55,13.75 ; J9.1 7.73,27.73 7.73,26.23 TH2.2 ; 18.97,15.97 19.32,15.97 ; TH2#3.2 70.28,51.77 70.28,50.27 J9#4.1 ; 59.03,62.03 58.68,62.03 ; 58.25,34.4 58.25,34.1 58,33.85 58,33.5 v1(56.5,32) v1(55.5,31) 54.75,30.25 ; 62.03,18.97 62.03,19.32 ; 15.97,59.03 15.97,58.68 ; J9#3.1 50.27,7.73 51.77,7.73 TH2#2.2 ; C12#2.2 v1(44.5,60.65) ; C12.2 v1(33.5,17.35)
  Bottom w0.2: v1(20.25,35.25) 19.5,36 ; v1(57.75,42.75) 58.5,42 ; U4#4.18 25.5,34 ; U4#3.18 52.5,44 ; v1(35.25,55.25) 36.5,54 ; v1(35.25,57.75) 36,58.5 ; v1(22.75,35.25) 24,36.5 ; v1(42.75,20.25) 42,19.5 ; v1(42.75,22.75) 41.5,24 ; v1(55.25,42.75) 54,41.5 ; U4.18 34,52.5 ; U4#2.18 44,25.5
  Bottom w0.25: U4.3 33.5,58 ; U4#2.3 44.5,20 ; 53.15,12.7 52.5,13.35 52.5,14.1 52.33,14.27 51.51,14.27 50.31,15.47 48.34,15.47 46.75,13.88 v1(46.75,13.65) ; 34.25,20.75 32.75,20.75 v1(32,21.5) ; C5#4.2 25.5,35 25.5,34 TH1.2 ; 55.12,44 v1(55.25,44) U4#3.18 ; 65.3,53.15 64.65,52.5 63.9,52.5 63.73,52.33 63.73,51.51 62.53,50.31 62.53,48.34 64.12,46.75 v1(64.35,46.75) ; U4.18 v1(34,55.25) 34,55.12 ; C5.2 52.5,43 52.5,44 TH1#3.2 ; U4#2.18 v1(44,22.75) 44,22.88 ; 11.73,25.15 v1(11.7,25.15) ; U4#2.25 v1(45.25,21.5) 45.38,21.5 ; TH1#2.2 34,52.5 35,52.5 C5#2.2 ; U4#3.3 58,44.5 ; v1(46,56.5) 45.25,57.25 43.75,57.25 ; v1(56.5,32) 57.25,32.75 57.25,34.25 ; v1(13.65,31.25) 13.88,31.25 15.47,29.66 15.47,27.69 14.27,26.49 14.27,25.68 14.1,25.5 13.35,25.5 12.7,24.85 ; U4#4.18 v1(22.75,34) 22.88,34 ; U4#4.25 v1(21.5,32.75) 21.5,32.62 ; U4.25 v1(32.75,56.5) 32.62,56.5 ; C5#3.2 43,25.5 44,25.5 TH1#4.2 ; U4#3.25 v1(56.5,45.25) 56.5,45.38 ; U4#4.3 20,33.5 ; 52.85,11.73 v1(52.85,11.7) ; 20.75,43.75 20.75,45.25 v1(21.5,46) ; 24.85,65.3 25.5,64.65 25.5,63.9 25.68,63.73 26.49,63.73 27.69,62.53 29.66,62.52 31.25,64.12 v1(31.25,64.35) ; 25.15,66.27 v1(25.15,66.3) ; 66.27,52.85 v1(66.3,52.85)
  Bottom w0.6: 37.8,55.88 U2.1 ; 40.2,22.12 U2#4.1 ; 22.12,37.8 U2#3.1 ; 55.88,40.2 U2#2.1
  vias: v1(6.75,30) v1(10.25,43.5) v1(10.75,26.5) v1(10.75,26.05) v1(10.75,25.6) v1(10.75,25.15) v1(11.7,26.5) v1(11.7,26.05) v1(11.7,25.6) v1(11.95,37.5) v1(12.35,48.5) v1(14.65,50.65) v1(14.95,42.65) v1(17.35,36.15) v1(17.5,33.5) v1(17.5,28.5) v1(19.75,50.5) v1(20.25,34.62) v1(20.25,34) v1(20.25,32.75) v1(20.5,47) v1(20.5,46) v1(20.5,45) v1(20.88,35.25) v1(20.88,34.62) v1(20.88,34) v1(21.5,47) v1(21.5,45) v1(21.5,40.75) v1(21.5,37.75) v1(21.5,37.25) v1(21.5,35.25) v1(21.5,34.62) v1(21.5,34) v1(22,40.75) v1(22,37.75) v1(22,37.25) v1(22.12,35.25) v1(22.12,34.62) v1(22.12,34) v1(22.5,46) v1(22.5,45) v1(22.5,40.75) v1(22.5,37.75) v1(22.5,37.25) v1(22.75,34.62) v1(22.75,32.75) v1(23,37.75) v1(23,37.25) v1(24.73,27.27) v1(25.15,67.25) v1(25.25,48.5) v1(25.6,67.25) v1(25.6,66.3) v1(26.05,67.25) v1(26.05,66.3) v1(26.5,67.25) v1(26.5,66.3) v1(27.27,53.27) v1(27.35,14.65) v1(27.5,19.75) v1(27.75,39) v1(27.75,37) v1(27.75,35) v1(28.25,39) v1(28.25,37) v1(28.25,35) v1(28.5,60.5) v1(29.25,32.25) v1(29.5,25.25) v1(29.5,12.35) v1(30,71.25) v1(31,21.5) v1(31,20.5) v1(32,22.5) v1(32,20.5) v1(32.25,48.75) v1(32.75,57.75) v1(32.75,55.25) v1(33,22.5) v1(33,21.5) v1(33,20.5) v1(33.5,60.5) v1(34,57.75) v1(34,57.12) v1(34,56.5) v1(34,55.88) v1(34.5,10.25) v1(34.62,57.75) v1(34.62,57.12) v1(34.62,56.5) v1(34.62,55.88) v1(34.62,55.25) v1(35,50.25) v1(35,49.75) v1(35.25,57.12) v1(35.25,56.5) v1(35.25,55.88) v1(35.35,14.95) v1(36.15,60.65) v1(37,50.25) v1(37,49.75) v1(37.25,56.5) v1(37.25,55.5) v1(37.25,22.5) v1(37.25,21.5) v1(37.25,56) v1(37.25,55) v1(37.25,22) v1(37.5,66.05) v1(37.75,56.5) v1(37.75,56) v1(37.75,55.5) v1(37.75,55) v1(39,50.25) v1(39,49.75) v1(39,28.25) v1(39,27.75) v1(40.25,23) v1(40.25,22.5) v1(40.25,22) v1(40.25,21.5) v1(40.5,11.95) v1(40.75,56) v1(40.75,23) v1(40.75,22) v1(40.75,56.5) v1(40.75,55.5) v1(40.75,22.5) v1(40.75,21.5) v1(41,28.25) v1(41,27.75) v1(41.85,17.35) v1(42.65,63.05) v1(42.75,22.12) v1(42.75,21.5) v1(42.75,20.88) v1(43,28.25) v1(43,27.75) v1(43.38,22.75) v1(43.38,22.12) v1(43.38,21.5) v1(43.38,20.88) v1(43.38,20.25) v1(43.5,67.75) v1(44,22.12) v1(44,21.5) v1(44,20.88) v1(44,20.25) v1(44.5,17.5) v1(45,57.5) v1(45,56.5) v1(45,55.5) v1(45.25,22.75) v1(45.25,20.25) v1(45.75,29.25) v1(46,57.5) v1(46,55.5) v1(47,57.5) v1(47,56.5) v1(48,6.75) v1(48.5,65.65) v1(48.5,52.75) v1(48.75,45.75) v1(49.5,17.5) v1(49.75,43) v1(49.75,41) v1(49.75,39) v1(50.25,43) v1(50.25,41) v1(50.25,39) v1(50.5,58.25) v1(50.65,63.35) v1(50.73,24.73) v1(51.5,11.7) v1(51.5,10.75) v1(51.95,11.7) v1(51.95,10.75) v1(52.4,11.7) v1(52.4,10.75) v1(52.75,29.5) v1(52.85,10.75) v1(53.27,50.73) v1(55,40.75) v1(55,40.25) v1(55.25,45.25) v1(55.25,43.38) v1(55.5,40.75) v1(55.5,40.25) v1(55.5,37.25) v1(55.5,33) v1(55.5,32) v1(55.88,44) v1(55.88,43.38) v1(55.88,42.75) v1(56,40.75) v1(56,40.25) v1(56,37.25) v1(56.5,44) v1(56.5,43.38) v1(56.5,42.75) v1(56.5,40.75) v1(56.5,40.25) v1(56.5,37.25) v1(56.5,33) v1(56.5,31) v1(57.12,44) v1(57.12,43.38) v1(57.12,42.75) v1(57.5,33) v1(57.5,32) v1(57.5,31) v1(57.75,45.25) v1(57.75,44) v1(57.75,43.38) v1(58.25,27.5) v1(60.5,49.5) v1(60.5,44.5) v1(60.65,41.85) v1(63.05,35.35) v1(63.35,27.35) v1(65.65,29.5) v1(66.05,40.5) v1(66.3,52.4) v1(66.3,51.95) v1(66.3,51.5) v1(67.25,52.85) v1(67.25,52.4) v1(67.25,51.95) v1(67.25,51.5) v1(67.75,34.5) v1(71.25,48)
